# Altium PCB ATM1099C-0627-ssy-1.brd.PcbDoc (part 3 of 4) (continued)
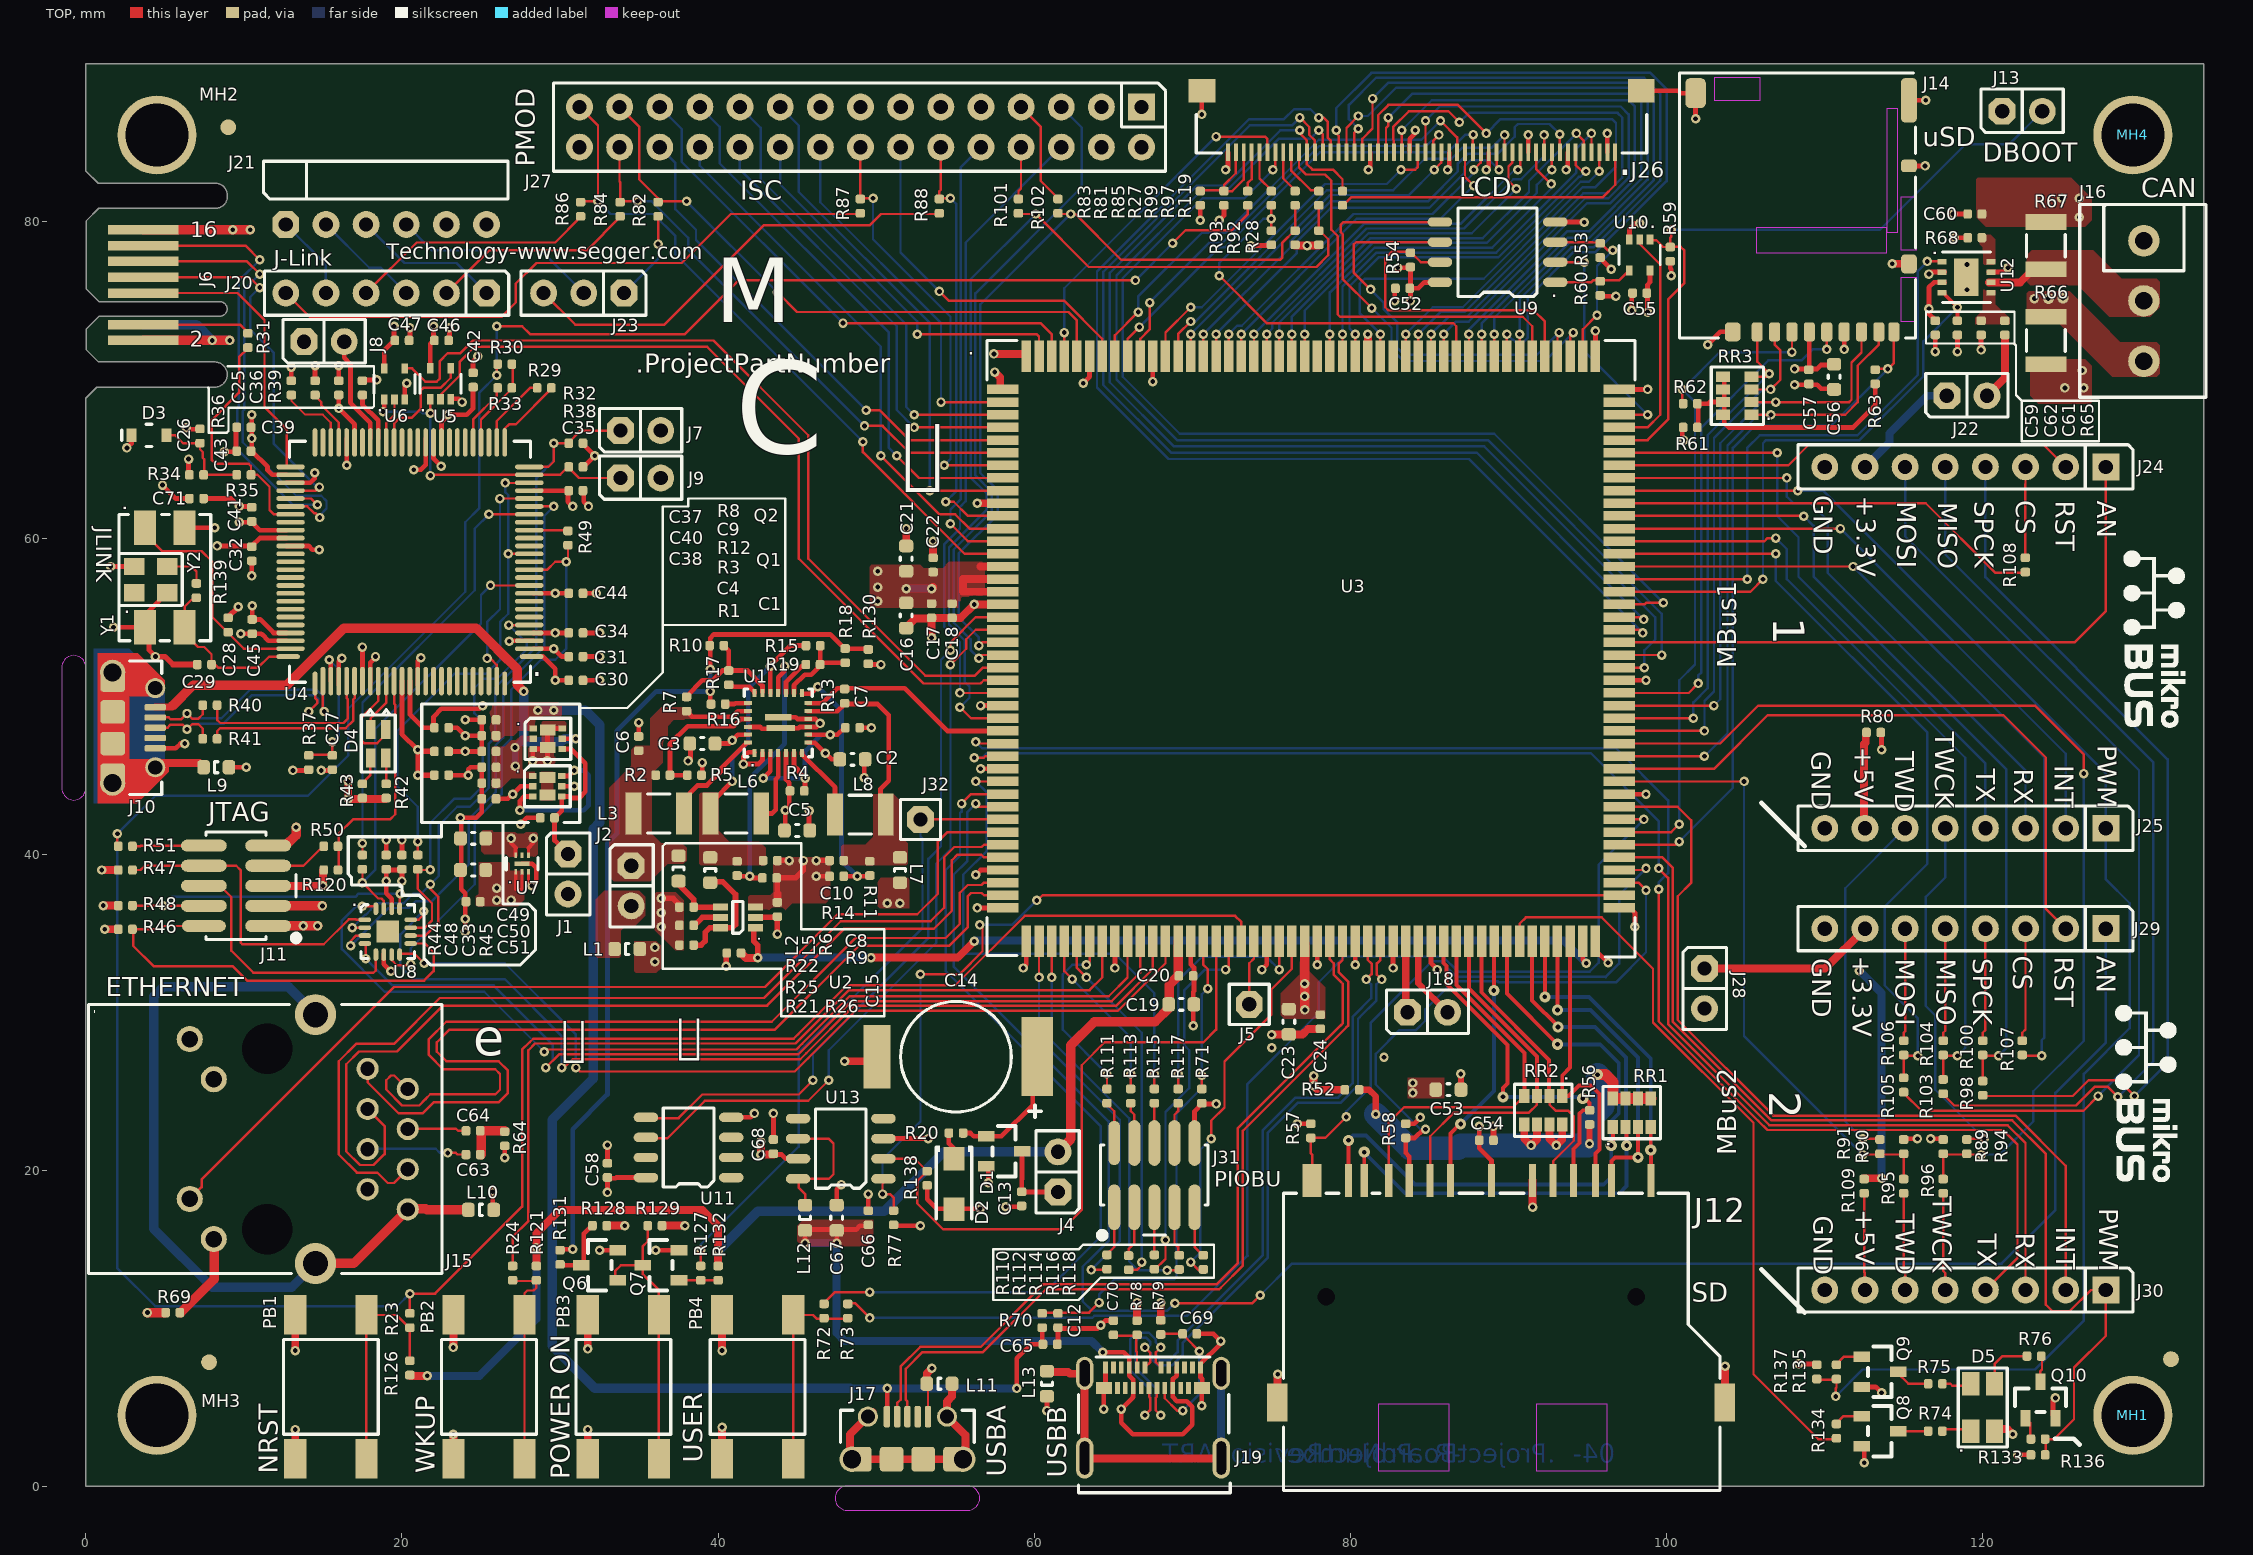
[diagram p0: TOP view]
## Nets (pads, with @x,y where several pads share a name; then routed paths per layer and width w, separated by ;. In a path a pad name is that pad's centre, name@x,y a point inside that pad or via, vN(x,y) a via of type N, cw(c..) or ccw(c..) an arc to the next point about the centre after c; other vN are vias at no path point) (continued)
  BOTTOM w0.152: v1(111.8,58.2) 123.9,46.1 123.9,28.4 123.729,28.229 v1(123.729,27.25)
PD0: R108.1 U3.121 | length 27.5
  TOP w0.152: U3.121@97,62.2 116.4,62.2 120.8,57.8 R108.1@122.7,57.8
PD1: J26.44 U3.113 | length 62.7
  TOP w0.152: v1(75.1,83.3) 75.25,83.45 J26.44@75.25,84.4 ; U3.113@97,55.8 98.597,55.8 98.697,55.9 v1(99.8,55.9)
  BOTTOM w0.152: v1(75.1,83.3) 73.3,81.5 70.652,81.5 65.6,76.448 65.6,70.2 69.2,66.6 89.1,66.6 v1(99.8,55.9)
PD2: U3.23 U6.4 | length 53.4
  TOP w0.152: U6.4@20.175,70.73 20.645,70.73 21.475,69.9 22.2,69.9 22.4,70.1 22.4,71.2 22.9,71.7 23.7,71.7 24.5,72.5 39.7,72.5 45.7,66.5 45.7,58.7 53.1,51.3 56.25,51.3 56.75,51.8 U3.23@58,51.8
PD3: U3.24 U5.2 | length 50.9
  TOP w0.152: U5.2@22.44,68.813 22.44,69.061 23.643,70.265 23.643,71.143 24.6,72.1 39.3,72.1 45.1,66.3 45.1,58.7 53,50.8 56.6,50.8 56.8,51 U3.24@58,51
PD4: R93.2 R97.1 R101.1 U3.27 | length 62.8
  TOP w0.152: v1(55.3,49.3) 56,48.6 U3.27@58,48.6 ; R101.1@59,80.5 v1(60.1,80.5) 63.45,77.15 77.85,77.15 78.6,77.9 78.6,78.9 78,79.5 R97.1@78,81
  BOTTOM w0.152: v1(55.3,49.3) 55.9,49.9 55.9,50.6 55.605,50.895 55.605,53.526 54.605,54.526 54.605,59.405 57,61.8 57,62.8 55.97,63.83 55.97,76.37 v1(60.1,80.5)
PD5: R92.2 R99.1 R102.1 U3.21 | length 52.3
  TOP w0.152: v1(56.5,53.2) 56.7,53.4 U3.21@58,53.4 ; R102.1@61.5,80.5 v1(62.3,80.5) 62.6,80.5 65.5,77.6 75.548,77.6 75.7,77.752 75.7,78.7 76.475,79.475 76.5,79.5 R99.1@76.5,81
  BOTTOM w0.152: v1(56.5,53.2) 56.5,53.705 55.214,54.99 55.214,59.014 57.7,61.5 57.7,63 56.58,64.12 56.58,74.78 v1(62.3,80.5)
PD6: J27.5 U3.22 | length 41.9
  TOP w0.152: v1(56.5,52.4) 56.7,52.6 U3.22@58,52.6
  BOTTOM w0.152: v1(56.5,52.4) 55.971,52.929 55.971,53.591 54.91,54.653 54.91,59.278 57.305,61.674 57.305,62.926 56.275,63.956 56.275,75.475 63,82.2 63,85.97 J27.5@61.7,87.27
PD7: J27.6 U3.25 | length 40.7
  TOP w0.152: v1(55.3,50.2) U3.25@58,50.2
  BOTTOM w0.152: v1(55.3,50.2) 55.3,53.4 54.3,54.4 54.3,59.6 55.3,60.6 55.3,61.969 55.665,62.334 55.665,78.695 J27.6@61.7,84.73
PD8: R13.2 U1.13 U3.28 | length 13.9
  TOP w0.3: U1.13@45.65,49.55 46.6,49.55 47.55,50.5 51.8,50.5 54.5,47.8 U3.28@58,47.8
PD19: R138.2 U3.58 U13.2 | length 41.2
  TOP w0.152: U13.2@50.46,20.738 52.437,20.738 53.2,19.975 53.25,19.975 52.6,19.325 52.6,17.9 54.225,16.275 61.775,16.275 63,17.5 63,26.648 64.452,28.1 70.7,28.1 71.5,28.9 U3.58@71.5,34.5
PD20: C12.1 R70.2 R71.1 U3.57 | length 32.7
  TOP w0.152: R70.2@60.5,11 63.467,11 v1(64.1,11.633) ; R71.1@70.6,25.2 v1(70.6,26) ; U3.57@70.7,34.5 70.7,33 70.971,32.729 v1(70.971,31.5)
  BOTTOM w0.152: v1(64.1,11.633) 64.1,12.137 65.063,13.1 68.848,13.1 69,13.252 69,23.6 70.6,25.2 v1(70.6,26) 70.6,31.129 v1(70.971,31.5)
PD21: U3.19 U11.5 | length 46.8
  TOP w0.152: U11.5@35.494,23.3 37.5,23.3 39,24.8 45.1,24.8 v1(46,25.7) ; v1(54.7,52.9) 54.7,53.403 56.297,55 U3.19@58,55
  BOTTOM w0.152: v1(46,25.7) 46,27.4 53.3,34.7 53.3,39.7 54.1,40.5 54.1,52.3 v1(54.7,52.9)
PD22: U3.20 U11.6 | length 47.1
  TOP w0.152: U11.6@35.494,22.03 36.797,22.03 39.167,24.4 45.7,24.4 v1(47,25.7) ; v1(54.7,52) 55.7,53 55.7,53.6 56.3,54.2 U3.20@58,54.2
  BOTTOM w0.152: v1(47,25.7) 47,27.6 53.8,34.4 53.8,39.4 54.7,40.3 v1(54.7,52)
PD23: J30.3 U3.30 | length 95.2
  TOP w0.152: v1(56.2,46.1) 56.797,46.1 56.897,46.2 U3.30@58,46.2 ; v1(99.5,39.1) 100.1,38.5 100.1,29.262 106.507,22.855 121.575,22.855 122.71,21.72 J30.3@122.71,12.43
  BOTTOM w0.152: v1(56.2,46.1) 56.703,46.1 56.998,46.395 95.205,46.395 99.5,42.1 v1(99.5,39.1)
PD24: J30.4 U3.29 | length 97.3
  TOP w0.152: v1(56.3,47.1) 56.4,47 U3.29@58,47 ; v1(99.5,37.775) 99.5,29.435 105.802,23.132 106.385,22.55 121.28,22.55 122.2,21.63 122.2,14.46 J30.4@120.17,12.43
  BOTTOM w0.152: v1(56.3,47.1) 56.7,46.7 96.8,46.7 100.1,43.4 100.1,38.8 99.5,38.2 v1(99.5,37.775)
PD25: J24.1 U3.110 | length 40.7
  TOP w0.152: U3.110@97,53.4 125.8,53.4 127.79,55.39 J24.1@127.79,64.5
PD26: J29.1 U3.34 | length 122.1
  TOP w0.152: v1(56.3,43.2) 56.5,43 U3.34@58,43 ; v1(68.9,11.6) 73.8,11.6 v1(74.3,12.1)
  BOTTOM w0.152: v1(56.3,43.2) 55.771,42.671 55.771,39.571 54.9,38.7 54.9,32.9 64.7,23.1 64.7,15.529 63.4,14.229 63.381,14.229 63.071,13.919 63.071,11.707 63.674,11.105 68.405,11.105 v1(68.9,11.6) ; v1(74.3,12.1) 76.3,14.1 121.2,14.1 124.6,17.5 124.6,24.9 127.79,28.09 J29.1@127.79,35.29
PD27: U3.53 U8.12 | length 61.1
  TOP w0.152: U8.12@20.5,35.85 21.05,35.85 21.371,36.171 v1(21.371,36.4) ; v1(30.1,26.5) 30.256,26.5 30.785,27.029 45.198,27.029 45.574,27.405 48.574,30.405 65.174,30.405 67.5,32.731 U3.53@67.5,34.5
  BOTTOM w0.152: v1(21.371,36.4) 19.9,34.929 19.9,32.9 20.7,32.1 26.5,32.1 30.1,28.5 v1(30.1,26.5)
PD28: U3.51 U8.16 | length 61.2
  TOP w0.152: v1(17.5,36.7) 18.35,36.7 U8.16@18.35,36.55 U8.16@18.35,36.5 ; v1(29,27.5) 29.147,27.647 44.953,27.647 45.321,28.014 48.321,31.014 64.714,31.014 65.9,32.2 U3.51@65.9,34.5
  BOTTOM w0.152: v1(17.5,36.7) 17.1,36.7 16.2,35.8 16.2,33.997 18.897,31.3 25.2,31.3 v1(29,27.5)
PD29: U3.52 U8.4 | length 58.8
  TOP w0.152: v1(17.7,33.4) U8.4@17.7,34.35 ; v1(29.1,26.5) 29.932,27.332 45.07,27.332 48.447,30.71 64.9,30.71 66.7,32.51 U3.52@66.7,34.5
  BOTTOM w0.152: v1(17.7,33.4) 19.398,31.702 25.798,31.702 29.529,27.971 29.529,26.929 v1(29.1,26.5)
PD30: U3.54 U8.8 | length 57
  TOP w0.152: U8.8@19.85,33.7 20.8,33.7 v1(21.4,33.1) ; v1(31.003,26.503) 31.257,26.25 44.85,26.25 45.7,27.1 48.7,30.1 65.3,30.1 68.3,33.1 U3.54@68.3,34.5
  BOTTOM w0.152: v1(21.4,33.1) 26.5,33.1 31.003,28.597 v1(31.003,26.503)
PIOBU1: R72.1 U3.33 | length 54
  TOP w0.152: R72.1@46.7,11.6 47.4,12.3 v1(49.6,12.3) ; v1(55.4,43.2) 56,43.8 U3.33@58,43.8
  BOTTOM w0.152: v1(49.6,12.3) 60.7,12.3 64.2,15.8 64.2,22.8 54.4,32.6 54.4,39 55.3,39.9 55.3,42.597 55.4,42.697 v1(55.4,43.2)
PIOBU2: R110.1 U3.44 | length 24.7
  TOP w0.152: v1(60.3,32.2) U3.44@60.3,34.5 ; v1(63.6,13.7) R110.1@64.6,13.7
  BOTTOM w0.152: v1(60.3,32.2) 60.3,28.3 65.4,23.2 65.4,15.5 v1(63.6,13.7)
PIOBU3: R111.2 U3.48 | length 11.7
  TOP w0.152: v1(63.3,33) 63.5,33.2 U3.48@63.5,34.5 ; R111.2@64.6,25.2 v1(64.6,26.1)
  BOTTOM w0.152: v1(63.3,33) 62.4,33 61.808,32.408 61.808,28.892 v1(64.6,26.1)
PIOBU4: R112.1 U3.47 | length 23
  TOP w0.152: U3.47@62.7,34.5 62.7,32.803 v1(63.302,32.202) ; R112.1@66.1,13.7 66.502,13.7 66.8,13.998 v1(66.8,14.2)
  BOTTOM w0.152: v1(63.302,32.202) 66.8,28.703 v1(66.8,14.2)
PIOBU5: R113.2 U3.46 | length 11
  TOP w0.152: U3.46@61.9,34.5 61.9,32.6 v1(62.4,32.1) ; R113.2@66.1,25.2 v1(66.1,26.1)
  BOTTOM w0.152: v1(62.4,32.1) 66.1,28.4 v1(66.1,26.1)
PIOBU6: R114.1 U3.59 | length 23.8
  TOP w0.152: R114.1@67.6,13.7 67.625,13.725 68.3,14.4 v1(68.3,15.6) ; v1(72.1,32.7) 72.3,32.9 U3.59@72.3,34.5
  BOTTOM w0.152: v1(68.3,15.6) 68.3,23.7 69.8,25.2 69.8,27.6 69.5,27.9 69.5,31.4 70.8,32.7 v1(72.1,32.7)
PIOBU7: R116.1 U3.45 | length 25.7
  TOP w0.152: v1(61.1,32.2) U3.45@61.1,34.5 ; v1(68.4,13.676) 69.116,13.676 R116.1@69.172,13.732
  BOTTOM w0.152: v1(61.1,32.2) 61.1,28.2 66,23.3 66,14.252 66.581,13.671 67.019,13.671 67.024,13.676 v1(68.4,13.676)
PMOD_1: J20.5 J21.1 | length 5.4
  BOTTOM w0.152: J21.1@12.65,79.84 15.19,77.3 J20.5@15.19,75.5
PMOD_2: J20.3 J21.2 | length 6.9
  BOTTOM w0.152: J21.2@15.19,79.84 17.93,77.1 18.67,77.1 J20.3@20.27,75.5
PMOD_3: J20.1 J21.3 | length 9.4
  BOTTOM w0.152: J21.3@17.73,79.84 20.17,77.4 23.45,77.4 J20.1@25.35,75.5
PMOD_4: J21.4 J23.2 | length 13
  BOTTOM w0.152: J21.4@20.27,79.84 21.91,78.2 28.8,78.2 J23.2@31.5,75.5
RTCK_IN: R50.1 R120.1 U4.86 | length 14.6
  TOP w0.152: R120.1@16,39 16,41.3 16.9,42.2 19.247,42.2 19.576,42.529 19.576,48.624 19.575,48.625 19.575,49.45 19.5,49.525 U4.86@19.5,50.7
RX_3U: U4.40 U5.4 | length 7
  TOP w0.152: U4.40@19.5,66.3 19.5,67.253 19.847,67.6 20.6,67.6 21.2,68.2 21.2,69.348 21.352,69.5 22.447,69.5 23.09,70.142 U5.4@23.09,70.713
RX_N: J15.6 U3.37 | length 60.9
  TOP w0.15: J15.6@20.365,20.07 19.495,19.2 19.095,19.2 18.44,19.856 17.144,19.856 15.997,21.003 15.997,26.905 17.092,28 19.489,28 22.392,30.903 42.903,30.903 47.756,35.756 53.444,35.756 54.297,36.608 54.297,39.808 54.94,40.451 56.67,40.451 56.819,40.6 U3.37@58,40.6
RX_P: J15.3 U3.38 | length 60.8
  TOP w0.15: J15.3@17.825,23.88 18.9,22.805 18.9,21.027 18.209,20.335 17.343,20.335 16.477,21.202 16.477,26.707 17.29,27.52 19.687,27.52 22.59,30.423 43.102,30.423 47.954,35.276 53.643,35.276 54.777,36.41 54.777,39.61 55.139,39.971 56.647,39.971 56.819,39.8 U3.38@58,39.8
RXD: R115.2 U3.32 | length 32.6
  TOP w0.152: v1(56.3,44.6) U3.32@58,44.6 ; R115.2@67.6,25.2 v1(67.6,26.1)
  BOTTOM w0.152: v1(56.3,44.6) 57,43.9 57,40.2 55.5,38.7 55.5,33.852 55.652,33.7 65.1,33.7 67.6,31.2 v1(67.6,26.1)
SHDN: J32.1 R127.1 U3.35 | length 39.6
  TOP w0.152: R127.1@38.725,13.775 R127.1@38.9,13.95 v1(38.9,14.95) ; J32.1@52.8,42.2 U3.35@58,42.2
  BOTTOM w0.152: v1(38.9,14.95) 38.9,15.3 45.1,21.5 45.1,27.5 52.929,35.329 52.929,40.993 52.8,41.122 J32.1@52.8,42.2
SPCK_MBUS1: J24.4 R98.2 | length 55.9
  TOP w0.152: R98.2@120,24.7 125.7,24.7 126.7,25.7 128.6,25.7 v1(129.6,24.7)
  BOTTOM w0.152: J24.4@120.17,64.5 120.17,57.53 131.7,46 131.7,26.8 v1(129.6,24.7)
SPCK_MBUS2: J29.4 R100.2 | length 7.1
  TOP w0.152: R100.2@120,28.25 120,28.703 120.17,28.873 J29.4@120.17,35.29
TCK_3U: J6.12 U4.56 | length 29.2
  TOP w0.152: J6.12@3.625,77.5 10.197,77.5 v1(10.998,76.698) ; U4.56@12.7,62 U4.56@12.95,62 14.006,62 14.432,61.574 14.526,61.574 v1(14.8,61.3)
  BOTTOM w0.152: v1(10.998,76.698) 10.029,75.729 10.029,68.143 9.924,68.039 9.924,66.061 13.309,62.676 14.889,62.676 15.226,62.339 15.226,61.861 14.8,61.435 v1(14.8,61.3)
TCK_IN: R45.1 U4.5 U8.11 | length 27.5
  TOP w0.152: U8.11@20.5,35.35 U8.11@20.55,35.35 21.45,35.35 21.9,35.8 21.9,36.897 21,37.797 21,39 21.776,39 v1(21.788,39.012) ; v1(26.754,54.492) 28.042,54.492 U4.5@28.05,54.5 U4.5@28.3,54.5
  BOTTOM w0.152: v1(21.788,39.012) 21.788,41.988 23.3,43.5 24.3,43.5 25.1,44.3 25.1,48.4 24.571,48.929 24.571,50.503 25.169,51.1 25.174,51.095 26.026,51.095 27.9,52.969 27.9,53.346 v1(26.754,54.492)
TCK_OUT: R45.2 U4.14 U4.23 | length 31.3
  TOP w0.152: R45.2@21,40 v1(21,40.8) ; v1(26.525,63.484) 28.034,63.484 U4.23@28.05,63.5 U4.23@28.3,63.5 ; v1(26.726,59) U4.14@28.05,59
  BOTTOM w0.152: v1(21,40.8) 21,43 19.7,44.3 19.7,47.8 23.305,51.405 25.295,51.405 25.3,51.4 26.228,52.328 26.228,54.71 26.726,55.209 v1(26.726,59) 26.726,62.718 26.525,62.919 v1(26.525,63.484)
TDI_3U: J6.8 U4.51 | length 18.3
  TOP w0.152: J6.8@3.625,75.5 9.6,75.5 11.3,73.8 11.3,68.3 12.7,66.9 U4.51@12.7,64.5
TDI_IN: R44.2 U4.10 U8.15 | length 28.1
  TOP w0.152: R44.2@17.5,39.05 v1(17.5,38.2) 18.5,37.2 18.698,37.2 18.85,37.048 U8.15@18.85,36.55 U8.15@18.85,36.5 ; v1(25.6,57) U4.10@28.05,57 U4.10@28.3,57
  BOTTOM w0.152: v1(17.5,38.2) 18.3,39 18.3,47.9 25,54.6 25,56.4 v1(25.6,57)
TDI_OUT: R44.1 U4.19 | length 27.7
  TOP w0.152: R44.1@17.5,39.95 v1(17.5,40.7) ; v1(25.5,61.5) U4.19@28.3,61.5
  BOTTOM w0.152: v1(17.5,40.7) 17.5,49.6 24.6,56.7 24.6,60.6 v1(25.5,61.5)
TDO_3U: J6.10 U4.54 | length 24.6
  TOP w0.152: J6.10@3.625,76.5 10.344,76.5 v1(11,75.844) ; U4.54@12.7,63 14.55,63 v1(14.775,63.225)
  BOTTOM w0.152: v1(11,75.844) 10.4,75.244 10.4,73.2 11.9,71.7 11.9,65.956 14.631,63.225 v1(14.775,63.225)
TDO_IN: U4.20 U8.3 | length 37.2
  TOP w0.152: v1(16.744,34.2) 16.744,34.497 17.097,34.85 U8.3@17.65,34.85 U8.3@17.7,34.85 ; U4.20@28.3,62 v1(29.6,62)
  BOTTOM w0.152: v1(16.744,34.2) 19.139,36.595 20.226,36.595 20.231,36.6 20.452,36.6 20.881,37.029 21.9,37.029 24.229,39.357 24.229,42.229 25.929,43.929 25.929,46.9 26.4,47.371 26.4,50.5 29,53.1 29,61.4 v1(29.6,62)
TMS_3U: J6.14 U4.55 | length 29
  TOP w0.152: J6.14@3.625,78.5 10.1,78.5 v1(11,77.6) ; U4.55@12.7,62.5 U4.55@12.95,62.5 14.25,62.5 v1(14.65,62.1)
  BOTTOM w0.152: v1(11,77.6) 9.79,76.39 9.676,76.276 9.676,68.289 9.571,68.185 9.571,65.629 13.1,62.1 v1(14.65,62.1)
TMS_IN: R49.1 U4.12 U8.7 | length 35.2
  TOP w0.152: U8.7@19.35,33.7 U8.7@19.35,33.65 19.35,33.297 19.673,32.974 20.477,32.974 v1(20.552,33.048) ; U4.12@28.3,58 29.2,58 29.7,58.5 v1(30.4,58.5) 30.5,58.6 R49.1@30.5,59.5
  BOTTOM w0.152: v1(20.552,33.048) 20.552,34.052 24.6,38.1 24.6,42.1 26.3,43.8 26.3,46.7 26.9,47.3 26.9,50.4 28.8,52.3 29.693,52.3 30.4,53.007 v1(30.4,58.5)
TMS_OUT: R49.2 U4.17 | length 2.2
  TOP w0.152: U4.17@28.3,60.5 R49.2@30.5,60.5
TRESOUT: R33.1 U4.30 | length 3.8
  TOP w0.152: U4.30@24.5,66.3 24.5,67.5 26,69 R33.1@26,69.5
TRSTIN: R29.2 U4.26 | length 4.7
  TOP w0.152: U4.26@26.5,66.3 26.5,66.925 26.769,67.194 27.194,67.194 R29.2@29.5,69.5
TRSTOUT: R29.1 U4.27 | length 4.5
  TOP w0.152: U4.27@26,66.3 26,67.4 28.1,69.5 R29.1@28.5,69.5
TWCK_ISC: J27.7 R102.2 | length 6.7
  TOP w0.152: J27.7@59.16,87.27 60.4,86.03 60.4,82.6 R102.2@61.5,81.5
TWCK_LCD: J26.43 R99.2 | length 2.7
  TOP w0.152: J26.43@75.75,84.4 75.75,82.75 R99.2@76.5,82
TWCK_MBUS1: J25.5 R94.2 | length 22.8
  TOP w0.152: R94.2@119,22 v1(120.1,22)
  BOTTOM w0.152: J25.5@117.63,41.64 117.63,38.53 116.4,37.3 116.4,30.4 117,29.8 117,25.1 v1(120.1,22)
TWCK_MBUS2: J30.5 R96.2 | length 6.1
  TOP w0.152: R96.2@117.5,18.5 117.5,13.638 117.63,13.508 J30.5@117.63,12.43
TWD_ISC: J27.8 R101.2 | length 3.3
  TOP w0.152: R101.2@59,81.5 59,81.953 59.16,82.113 J27.8@59.16,84.73
TWD_LCD: J26.42 R97.2 | length 3.4
  TOP w0.152: J26.42@76.25,84.4 76.25,83.25 77.5,82 R97.2@78,82
TWD_MBUS1: J25.6 R91.2 | length 22.8
  TOP w0.152: v1(112.4,22) R91.2@113.5,22
  BOTTOM w0.152: v1(112.4,22) 111.3,23.1 111.3,37.85 J25.6@115.09,41.64
TWD_MBUS2: J30.6 R95.2 | length 6.1
  TOP w0.152: R95.2@115,18.5 115,13.598 115.09,13.508 J30.6@115.09,12.43
TX_3U: U4.41 U6.2 | length 2.7
  TOP w0.152: U4.41@19,66.3 19,67.267 19.525,67.792 U6.2@19.525,68.77
TX_N: J15.2 U3.40 | length 59
  TOP w0.15: J15.2@20.365,25.15 19.515,26 19.3,26 19,25.7 19,25.111 20.006,24.106 21.094,24.106 21.497,24.508 21.497,24.514 21.792,24.808 25.908,24.808 26.2,25.1 26.2,26.1 25.903,26.397 22.603,26.397 21.7,27.3 21.7,28.3 22.803,29.403 43.392,29.403 48.689,34.7 54.4,34.7 55.297,35.597 55.297,37.557 55.792,38.051 56.67,38.051 56.819,38.2 U3.40@58,38.2
TX_P: J15.1 U3.41 | length 59
  TOP w0.15: J15.1@17.825,26.42 17.825,25.575 19.8,23.6 21.3,23.6 22,24.3 26.111,24.3 26.703,24.892 26.703,26.308 26.111,26.9 22.811,26.9 22.203,27.508 22.203,28.092 23.011,28.9 43.6,28.9 48.897,34.197 54.608,34.197 55.8,35.389 55.8,37.348 56,37.548 56.67,37.548 56.819,37.4 U3.41@58,37.4
USBA_N: J17.2 U3.67 | length 50.8
  TOP w0.155: J17.2@51.326,4.417 51.326,5.273 51.54,5.487 51.54,7.589 52.786,8.835 56.614,8.835 60.586,12.807 71.557,12.807 71.661,12.91 72.865,14.115 72.865,22.64 79.415,29.19 79.518,29.293 79.518,31.808 79.415,31.911 78.942,32.385 78.942,33.104 78.7,33.346 U3.67@78.7,34.5
USBA_P: J17.3 U3.68 | length 50.7
  TOP w0.155: J17.3@51.976,4.417 51.976,5.374 51.875,5.475 51.875,7.45 52.925,8.5 56.753,8.5 60.725,12.472 71.696,12.472 71.8,12.575 73.2,13.976 73.2,22.501 79.75,29.051 79.853,29.154 79.853,31.947 79.75,32.05 79.277,32.523 79.277,33.093 79.5,33.317 U3.68@79.5,34.5
USBB_N: J19.A7 J19.B7 U3.70 | length 46.9
  TOP w0.155: v1(67,4.5) 67.334,4.834 67.334,5.603 67.26,5.677 J19.B7@67.26,6.24 ; v1(68,8.8) 67.687,8.487 67.687,7.863 J19.A7@68.01,7.54 ; v1(81,32.075) 81.342,32.417 81.342,33.075 81.1,33.317 U3.70@81.1,34.5
  BOTTOM w0.155: v1(67,4.5) 67.341,4.842 67.341,6.096 66.073,7.365 66.073,9.322 66.486,9.735 67.239,9.735 67.685,9.289 67.685,9.115 v1(68,8.8) 67.725,8.525 67.725,8.225 67.95,8 68.575,8 69.072,8.497 69.072,9.247 74.447,14.622 74.447,22.522 76.525,24.6 79.225,24.6 80.147,25.521 80.147,29.722 80.25,29.825 81.311,30.886 81.311,31.764 v1(81,32.075)
USBB_P: J19.A6 J19.B6 U3.71 | length 47.1
  TOP w0.155: v1(67,8.8) 67.352,8.448 67.352,7.882 J19.A6@67.01,7.54 ; J19.B6@67.76,6.24 67.76,5.677 67.687,5.603 67.687,4.813 v1(68,4.5) ; U3.71@81.9,34.5 81.9,33.317 81.677,33.093 81.677,32.373 v1(81.975,32.075)
  BOTTOM w0.155: v1(68,4.5) 67.676,4.824 67.676,6.235 66.408,7.503 66.408,9.183 66.625,9.4 67.1,9.4 67.35,9.15 67.35,8.975 67.175,8.8 v1(67,8.8) 67.034,8.8 67.39,8.444 67.39,8.086 67.811,7.665 68.714,7.665 69.407,8.358 69.407,9.108 74.782,14.483 74.782,22.383 76.663,24.265 79.364,24.265 80.482,25.382 80.482,29.583 80.585,29.686 81.646,30.747 81.646,31.774 81.947,32.075 v1(81.975,32.075)
USBB_VBUS_5V: C66.1 C67.1 J19.A4 J19.A9 J19.B4 J19.B9 L12.1 | length 46.9
  TOP w0.3: v1(45.5,15.4) L12.1@45.5,16.2 45.5,16.25 C67.1@47.5,16.25 ; v1(47.5,15.4) C67.1@47.5,16.2 C67.1@47.5,16.25 ; C66.1@49.5,16.5 48.973,16.5 48.723,16.25 C67.1@47.5,16.25 ; v1(64.325,8.5) 65.66,8.5 66,8.16 66.01,8.15 J19.A4@66.01,7.54 66.01,7.01 66.015,7.01 66.26,6.765 J19.B9@66.26,6.24 66.26,5.705 66.25,5.695 66.25,5.65 v1(65.5,4.9) 65.5,4.038 66.238,3.3 69.4,3.3 70,3.9 70,4.848 69.998,4.85 69.995,4.853 69.995,5.049 69.644,5.4 69.025,5.4 68.76,5.665 J19.B4@68.76,6.24 68.76,6.81 68.805,6.81 69.01,7.015 J19.A9@69.01,7.54
  BOTTOM w0.5: v1(45.5,15.4) v1(47.5,15.4) 47.5,9.7 48,9.2 63.625,9.2 v1(64.325,8.5)
VBUS_JLINK: C4.1 J10.1 Q1.1 Q2.2 Q2.5 R3.2 R12.1 | length 37
  TOP w0.3: Q2.5@30.14,47.3 v1(31,47.3)
  TOP w0.35: 5.398,49.3 5.477,49.379
  TOP w0.45: J10.1@4.375,49.3 5.398,49.3
  TOP w0.6: 5.477,49.379 6.798,50.7 12.722,50.7 16.322,54.3 24.7,54.3 25.776,53.224 26.2,52.8 27.292,51.708 27.292,50.708 v1(27.7,50.3)
  BOTTOM w0.4: v1(27.175,45.575) 27.175,46.75 v1(27.15,46.75) 27.5,47.1 27.7,47.1
  BOTTOM w0.6: v1(27.7,50.3) 27.7,47.1 30.073,47.1 30.273,47.3 v1(31,47.3)
VBUS_USBA: C9.1 C65.1 J17.1 Q2.1 R8.1 R70.1 | length 82
  TOP w0.3: J17.1@50.7,4.399 v1(50.7,6.2) ; v1(58.9,6.2) 58.9,8.1 59.8,9 60.5,9 R70.1@60.5,10
  BOTTOM w0.5: 48.359,6.2 v1(50.7,6.2) v1(58.9,6.2)
  BOTTOM w0.6: v1(28.6,49.1) v1(29.6,49.1) 31.6,49.1 32.5,48.2 32.5,42 32.1,41.6 32.1,25.8 29.5,23.2 29.5,8.9 32.2,6.2 48.359,6.2
VDD_3V3: C15.1 C52.1 C53.1 C54.1 C55.1 C56.1 C57.1 C58.1 D1.2 D2.1 D5.2 J11.1 J12.4 J14.P4 J21.6 J22.2 J27.1 J27.3 J28.2 L7.2 R46.1 R47.1 R48.1 R53.1 R54.1 R57.1 R58.1 R59.1 R60.1 R61.2 R65.1 R69.1 R78.1 R79.1 R81.1 R89.1 R90.1 R92.1 R93.1 R138.1 U2.2 U9.8 U10.5 U11.8 | length 52.4
  TOP w0.3: v1(33,18.6) 33,19.5 33.527,19.5 33.569,19.542 U11.8@35.433,19.542 ; R138.1@53.25,19 53.225,18.975 53.225,18.175 53.825,17.575 v1(56.575,17.575) ; v1(57.1,19.2) D1.2@57.1,20.25 ; v1(71.7,80.1) 72,80.4 R81.1@72,81 ; v1@76.675,22.975 v1(76.65,22.95) R57.1@77.5,22.95 ; v1(83,77.1) 83.8,77.1 C52.1@83.8,75.8 ; R58.1@83.5,22.95 84.025,22.95 v1(84.425,23.35) ; v1(83.8,75) C52.1@83.8,75.8 ; U9.8@85.664,76.174 84.674,76.174 84.3,75.8 C52.1@83.8,75.8 ; v1(88.15,22.775) C54.1@88.15,21.9 88.15,21.4 88.925,20.625 J12.4@88.925,19.35 ; R60.1@95.8,75.3 v1(96.8,75.3) ; R53.1@95.8,77.7 v1(96.5,77) ; v1(98.8,74.3) 98.8,76.027 98.95,76.177 U10.5@98.95,76.92 U10.5@98.95,76.95 ; R59.1@100.236,77.512 100.236,77.073 100.3,77.009 v1(100.3,76.6) ; R61.2@101,67 101,66.3 v1(101.1,66.2) ; v1(108.1,70.7) 109.527,70.7 109.777,70.95 C56.1@110.6,70.95 ; C57.1@109.034,70.7 J14.P4@109.034,73.044 ; R90.1@115,22 v1(115.871,22) ; v1(116.7,22) R89.1@117.5,22
  TOP w0.35: U2.2@42.25,36 43.75,36 v1(43.75,34.95)
  TOP w0.5: v1(1,39) R47.1@2,39 ; v1(1.1,36.75) R48.1@2,36.75 ; v1(1.2,35.25) R46.1@2,35.25 ; R78.1@66.5,10.5 v1(66.5,11.633) ; R79.1@68,10.5 v1(68,11.633) ; R92.1@76.5,78.5 v1(77.257,78.5) R93.1@78,78.5 ; J22.2@120.27,69 121.4,70.13 R65.1@121.4,72.8 ; D5.2@120.75,3.625 121.575,3.625 v1(121.9,3.3)
  TOP w0.6: v1(3.9,11) R69.1@5,11 ; J11.1@11.535,35.46 v1(13.76,35.46) v1(14.66,35.46)
  other v1: 83.95,24.9 83.95,25.525 50.7,36.9 51.5,36.9
VDD_3V3_3U: C30.1 C31.1 C32.1 C33.1 C34.1 C35.1 C36.1 C37.1 C46.1 C47.1 C48.1 C50.1 C51.1 C71.1 D3.2 J6.16 J8.1 R32.1 R34.1 R36.1 R38.1 R39.1 R42.2 R43.2 U4.1 U4.2 U4.4 U4.22 U4.36 U4.45 U4.53 U4.60 U4.79 U4.88 U5.5 U6.5 U7.1 U7.2 U8.14 Y2.4 | length 65.6
  TOP w0.2: U7.1@27.2,38.875 27.2,37.775 27.6,37.775 U7.2@27.6,38.875
  TOP w0.3: v1(1.575,58.2) Y2.4@3.05,58.2 ; v1(2.6,65.7) 2.885,65.985 D3.2@2.885,66.5 ; v1(4.85,63.35) 5.7,62.5 C71.1@6.5,62.5 ; R34.1@6.5,64 v1(6.5,65) ; v1(8.3,59.5) 10.5,59.5 11,60 U4.60@12.7,60 ; U4.53@12.7,63.5 U4.53@12.95,63.5 14.201,63.5 14.475,63.774 v1(14.475,64.125) ; R36.1@13,70 v1(13,70.8) ; U4.79@16,50.7 U4.79@16,50.95 16,52.2 v1(16.2,52.4) ; C36.1@16,69 v1(16,68.2) 17,67.2 U4.45@17,66.3 ; R39.1@17.5,70 v1(18.4,70) ; U6.5@18.875,70.713 18.875,71.875 19.5,72.5 v1(19.5,73.4) ; U8.14@19.35,36.5 U8.14@19.35,36.55 19.35,37.177 19,37.527 v1(19,38.3) 19,39 20,39 v1(20,38.3) ; U4.88@20.5,50.95 20.5,48.843 21.343,48 22,48 22,48.7 22.5,49.2 24.9,49.2 v1(25.1,49.4) ; v1(20.75,64.325) 21.2,64.325 21.5,64.625 U4.36@21.5,66.05 U4.36@21.5,66.3 ; U5.5@21.79,70.713 21.79,72.29 22,72.5 v1(22,73.4) ; U4.1@28.3,52.5 28.925,52.5 29.7,51.725 v1(29.7,51) C30.1@30.5,51 ; U4.2@28.3,53 v1(29.6,53) 30.1,52.5 C31.1@30.5,52.5 ; U4.4@28.3,54 v1(29.7,54) C34.1@30.5,54 ; U4.22@28.3,63 30.5,63 30.5,62.3 v1(30.8,62) ; R38.1@31.5,64.5 v1(32.2,65.2) 31.5,65.9 R32.1@31.5,66
  TOP w0.5: v1(16.6,44.6) v1(16.6,43.5) R42.2@19,43.5
  TOP w0.6: J6.16@3.625,79.5 v1(9.3,79.5) v1(10.4,79.5)
  other v1: 26,37.1 26.9,37.1 25.992,37.855
VDD_MAIN_5V: C2.1 C3.1 C5.1 C49.1 C59.1 C68.1 J1.2 R4.1 R80.2 R83.1 R109.2 R128.2 R129.1 R130.2 U1.5 U1.8 U1.25 U7.4 U7.6 U12.3 U13.7 | length 39.9
  TOP w0.2: U7.4@28,39.925 28,40.4
  TOP w0.25: v1(26.9,41) 26.9,40.7 27.2,40.4 27.185,40.385 U7.6@27.185,39.925 ; 28,40.4 28.3,40.7 v1(28.3,41)
  TOP w0.3: C3.1@39.75,47 C3.1@39.8,47 40.7,47 v1(40.9,47.2) 41.25,47.55 U1.25@41.95,47.55 ; C68.1@43.5,21 44.027,21 44.289,20.738 U13.7@45.69,20.738 ; C5.1@44.25,41.5 v1(44.25,42.777) 44.5,43.027 44.5,44.527 44.3,44.727 U1.5@44.3,46.45 ; U1.8@45.65,47.05 46.123,47.05 v1(46.786,46.387) 47.173,46 C2.1@47.7,46 C2.1@47.75,46 ; R130.2@49.5,52 v1(50.3,52) ; v1(70.5,80.1) R83.1@70.5,81 ; v1(113.6,46.6) R80.2@113.6,47.7 ; C59.1@117,73.8 116.6,74.2 v1(116.6,74.5) 116.6,75.852 116.923,76.175 U12.3@117.6,76.175
  TOP w0.5: R128.2@33,16.5 v1(34.1,16.5) ; R129.1@36.5,16.5 v1(37.9,16.5) ; v1(42.7,21.8) v1(42.7,21) C68.1@43.5,21 ; R109.2@112.5,19.5 v1(113.6,19.5)
  BOTTOM w0.5: v1(112.2,32.623) 113.6,31.223 v1(113.6,19.5)
VDD_SDHC_1V8: L5.2 R21.1 U2.6 | length 7.3
  TOP w0.35: R21.1@38.45,34.25 38.925,34.25 39.175,34.5 39.175,35.05 39.475,35.35 U2.6@40.15,35.35 40.902,35.35 41.1,35.548 41.1,37.452 40.302,38.25 L5.2@39.5,38.25
VDD_SDHC_3V3: L2.2 R22.1 U2.4 | length 3.7
  TOP w0.35: L2.2@37.5,38.25 37.5,38.1 38.45,37.15 R22.1@38.45,36.65 ; R22.1@38.5,36.65 39.676,36.65 U2.4@40.15,36.65 U2.4@40.25,36.65
VDDBU: C19.1 C20.1 J4.2 R121.1 R126.1 R132.1 U3.55 | length 74
  TOP w0.5: R126.1@20.5,7 v1(21.6,7) ; R121.1@28.5,14 v1(28.5,15.1) 28.5,16 30,17.5 39,17.5 40,16.5 v1(40,14.9) R132.1@40,14
  TOP w0.6: J4.2@61.4,21.17 J4.2@61.5,21.17 62.321,21.991 62.321,27.921 63.8,29.4 67.65,29.4 68.55,30.3 68.55,31.75 69.1,32.3 U3.55@69.1,34.5
  BOTTOM w0.5: v1(21.6,7) 24.9,7 28.5,10.6 v1(28.5,15.1)
  BOTTOM w0.6: v1(40,14.9) 42.5,17.4 50.5,17.4 54.27,21.17 J4.2@61.5,21.17
VDDIN_3V3: C16.1 C17.1 C18.1 C21.1 C22.1 L1.2 U3.15 U3.16 U3.17 | length 9
  TOP w0.5: C16.1@51.9,55.85 C16.1@51.9,55.9 ; C21.1@51.9,57.9 C21.1@51.9,57.95 ; v1(53.5,56.8) v1@53.6,56.9 ; 56.6,58.2 U3.15@58,58.2 ; U3.17@58,56.6 55.5,56.6 55.5,57.4 U3.16@58,57.4
  BOTTOM w0.5: v1(51.9,56.8) v1(53.5,56.8)
  other v1: 36,33.2 36,34.1 50.1,56 50.1,56.9 50.1,57.9
VDDOUT: C38.1 C39.1 C40.1 C41.1 C42.1 C43.1 C44.1 C45.1 U4.9 U4.34 U4.52 U4.59 U4.73 U4.83 U4.87 | length 28.8
  TOP w0.3: v1(9.7,61) 10.5,61 11,60.5 U4.59@12.7,60.5 ; v1(9.8,53.95) 11.1,53.95 11.15,53.9 11.55,53.5 U4.73@12.7,53.5 ; v1(10.5,67.8) v1(10.5,66.3) 10.5,65.5 11.5,64.5 11.5,64.3 11.8,64 U4.52@12.7,64 ; U4.83@18,50.7 U4.83@18,50.95 18,52.125 18.325,52.45 v1(18.325,52.5) ; U4.87@20,50.95 20,47.6 v1(21,46.6) v1(21,45) ; U4.34@22.5,66.3 22.5,67.327 22.9,67.727 v1(22.9,67.8) 24.1,67.8 24.5,68.2 C42.1@24.5,69.5 ; U4.9@28.3,56.5 v1(29.7,56.5) C44.1@30.5,56.5
  TOP w0.35: v1(21,45) C38.1@22,45 ; v1(21,46.6) 21.1,46.5 C40.1@22,46.5
VDDSDHC: C23.1 C24.1 R21.2 R22.2 R25.2 R52.1 U3.65 | length 8.5
  TOP w0.35: v1(36.4,37.2) 37.15,37.2 37.5,36.85 R22.2@37.5,36.5
  TOP w0.5: v1(77.675,25.975) v1(77.675,25.35) 77.925,25.1 R52.1@79.65,25.1
  TOP w0.6: U3.65@77.1,34.35 v1(77.1,31.8) v1(77.1,31) 77.1,30.175 v1(77.125,30.15)
  other v1: 36.4,35.4 36.4,36.3
VOUT1: C6.1 J2.1 L2.1 L3.2 R2.1 R7.1 U1.22 | length 4.3
  TOP w0.3: R7.1@38,49 R7.1@38,49.05 38.348,48.702 40.902,48.702 41.25,49.05 U1.22@41.95,49.05
VOUT2: C8.1 L5.1 L6.2 R6.1 R15.2 U1.18 | length 15.6
  TOP w0.3: L6.2@39.525,42.5 39.525,43.425 39.725,43.425 v1(40.9,44.6) ; U1.18@43.3,50.15 v1(43.3,51.9) 43.3,51.919 44.578,53.197 R15.2@45.557,53.197
  BOTTOM w0.3: v1(40.9,44.6) 40.9,46.1 41.9,47.1 41.9,50.5 v1(43.3,51.9)
VOUT3: C10.1 L7.1 L8.2 R11.1 R13.1 U1.12 | length 12.1
  TOP w0.3: U1.12@45.65,49.05 47.55,49.05 48,49.5 50.1,49.5 50.8,48.8 50.8,44.652 50.275,44.127 L8.2@50.275,42.5
WKUP: R24.1 U3.49 | length 54.5
  TOP w0.152: R24.1@27,14 27,15.8 28,16.8 28,27.6 28.426,28.026 44.902,28.026 48.276,31.4 63.5,31.4 64.3,32.2 U3.49@64.3,34.5
XIN: C29.1 R139.2 U4.75 Y1.3 | length 10.6
  TOP w0.152: R139.2@7,56.22 6.816,56.22 6.25,55.653 Y1.3@6.25,54.35 6.25,53.95 7.094,53.106 7.494,53.106 7.95,52.65 7.95,52.22 8.37,51.8 10.9,51.8 11.6,52.5 U4.75@12.7,52.5
XOUT: C28.1 U4.74 Y1.1 | length 14.4
  TOP w0.152: Y1.1@3.75,60.65 3.75,60.25 4.825,59.175 7.325,59.175 8,58.5 8,55 8.975,54.025 10,53 U4.74@12.7,53
pads on no net: J6.1 J6.7 J6.9 J6.11 J6.13 J6.15 J10.4 J12.A J12.B J15.7 J15.9 J15.10 J15.MH1 J15.MH2 J17.4 J19.A2 J19.A3 J19.A8 J19.A10 J19.A11 J19.B2 J19.B3 J19.B8 J19.B10 J19.B11 MH2.MH U3.129 U3.147 U3.153 U4.6 U4.7 U4.8 U4.11 U4.13 U4.15 U4.16 U4.18 U4.28 U4.31 U4.32 U4.33 U4.37 U4.38 U4.39 U4.44 U4.49 U4.50 U4.58 U4.62 U4.63 U4.64 U4.65 U4.66 U4.67 U4.68 U4.69 U4.70 U4.71 U4.90 U4.91 U4.92 U4.93 U4.94 U4.95 U4.96 U4.97 U4.98 U4.100 U7.5 U8.17 U11.1 U11.2 U11.3 U11.7 U13.4 U13.5 Y2.1
copper on no net: | length 0
  TOP w0.15: 121.98,72.3 121.99,72.3